# Altium PCB 400432.PcbDoc (part 3 of 6) (continued)
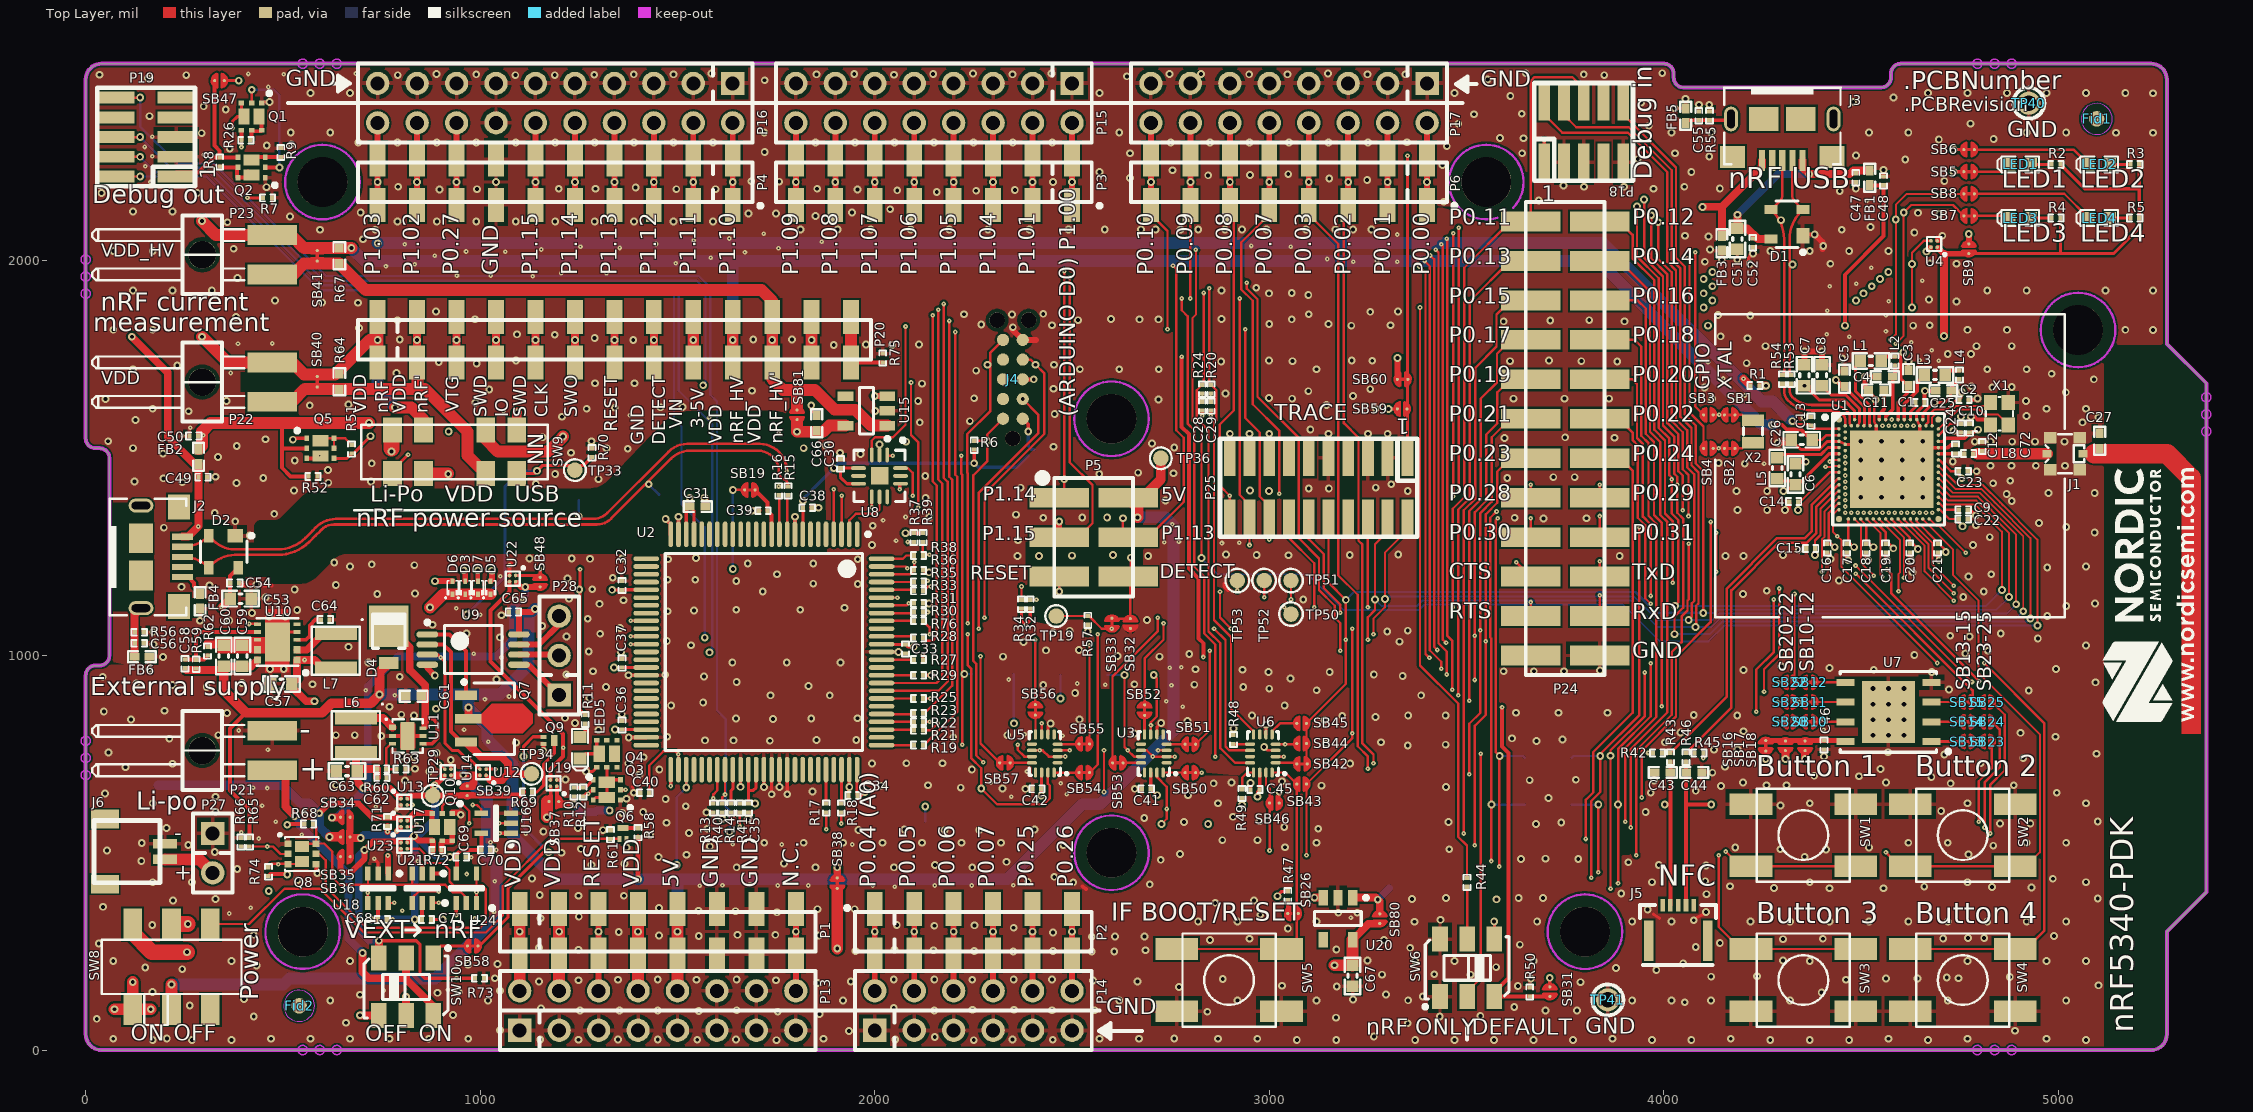
[diagram p0: Top Layer view]
## Nets (pads, with @x,y where several pads share a name; then routed paths per layer and width w, separated by ;. In a path a pad name is that pad's centre, name@x,y a point inside that pad or via, vN(x,y) a via of type N, cw(c..) or ccw(c..) an arc to the next point about the centre after c; other vN are vias at no path point) (continued)
  other v2: 755,151 918.3,153 986,334 3207,335 364,346 1035,350 802,353 418,361 2051,414 1556,416 1754,417 1831,417 1995,417 2152,417 2246,417 1614,418 2351,418 1684,420 1037,428 966,446 1091,485 1764,521 1943,521 1640,522 1026,527 439,536 548,546 495,547 1115,548 482,579 555,602 1111,602 735,617 447,619 1084,622 2346,642 2487,648 460,664 424,665 2471,676 2294,678 2386,706 462,761 1020,781 2476,797 2380,800 388,810 959,812 4405,812 2781,870 2739,884 1012,889 474,893 1073,896 783,899 710,912 2752,925 2584,926 2513,929 2340,939 2589,968 2748,969 2777,970 1053,995 984,1004 1000,1103 939,1120 1107,1142 1050.4,1201 953,1247 2880,1285 2924,1286 2734,1287 2771,1288 2054,1291 2754,1333 2021,1343 2078,1351 4254,1486 245,1557 1757,1565 265,1577 1580,1603 1379,1609 1059,1619 4205,1659 4151,1702 368,1716 4112,1744 4696.56,1747 4648,1748 4679,1774 386,1790 473,1791 4627,1794 4470,1808 4413,1814 4563,1822 4563,1862 4414,1874 4570,1898 4421,1936 4488,1942 4655,1950 1133,1961 941,1963 1027,1963 1205,1969 1320,1969 1409,1980 4526,1983 761,1987 834,1992 1496,1994 3213,1998 3324,1998 3273,2000 3147,2005 1584,2008 885,2013 1671,2022 1063,2023 964,2024 1155,2029 1756,2032 1354,2033 1254,2036 3054,2036 2954,2038 809,2042 1446,2043 1866,2049 1541,2052 1631,2057 3324,2067 1719,2069 4515,2153 164,2200 151,2240 169,2265 299,2269 150,2289 169,2315 463,2441 502,2473 412,2474 685,2475
  other v3: 4529.93,797.95 4569.3,797.95 4608.67,797.95 4529.93,837.32 4569.3,837.32 4608.67,837.32 4529.93,876.69 4569.3,876.69 4608.67,876.69 4529.93,916.06 4569.3,916.06 4608.67,916.06 4499.12,1401.13 4551.61,1401.13 4604.11,1401.13 4656.6,1401.13 4499.12,1448.38 4551.61,1448.38 4604.11,1448.38 4656.6,1448.38 4499.12,1495.62 4551.61,1495.62 4604.11,1495.62 4656.6,1495.62 4499.12,1542.87 4551.61,1542.87 4604.11,1542.87 4656.6,1542.87
I\F\_\O\F\F\: Q1.2 Q2.2 SW6.2 U3.2 U3.10 U5.2 U5.10 U6.2 U19.B2 U22.B2 | length 7852.7
  Top Layer w6: Q1.2@421,2400.45 v1(421,2434) ; U5.10@2398.52,759.5 v2(2418,759.5) 2425.5,759.5 2441.25,743.75 U5.2@2463.48,743.75 2463.73,744 v2(2483,744) ; U3.10@2674.85,759.5 2689.5,759.5 v2(2705,744) 2705.25,743.75 U3.2@2739.81,743.75 v2(2760.75,743.75) ; v2(2778,1905) 2778,1875 2793,1860 2793,1588 2810,1571 2810,1225 2835,1200 2835,1056 2863,1028 v2(2863,743.75) ; U6.2@3016.15,743.75 v2(3037,743.75) ; SW6.2@3501.57,115.57 SW6.2@3511.5,125.5 ; SW6.2@3501.57,135.43 3501.57,147.57 3536,182 v2(3536,751)
  Top Layer w10: Q2.2@457.54,2237 482.35,2237 v1(491,2237) ; U22.B2@1074.13,1187.13 1074.13,1162.13 1026,1114 1026,985 1210,801 v2(1210,766) 1210,744 1177.9,711.9 U19.B2@1177.9,684.5
  Mid-Layer 1 w6: v1(491,2237) 446,2237 435,2226 435,2059 530,1964 903,1964 962,1905 v2(2778,1905) ; v2(1210,766) 1523,766 1529.5,759.5 v2(2418,759.5) ; v2(2483,744) 2545,744 2575,774 2675,774 v2(2705,744) ; v2(2760.75,743.75) v2(2863,743.75) v2(3037,743.75) 3044.25,751 v2(3536,751)
  Bottom Layer w6: v1(421,2434) 477,2434 491,2420 v1(491,2237)
IFSel0: Q2.3 R9.2 U2.83 | length 3333.3
  Top Layer w6: R9.2@494.55,2263.78 v2(509.78,2263.78) ; U2.83@2017.23,910.57 2161.57,910.57 2185,934 2185,1440 2175,1450 v2(2175,1891)
  Top Layer w10: Q2.3@420.34,2255.7 428.42,2263.78 R9.2@494.55,2263.78
  Mid-Layer 1 w6: v2(509.78,2263.78) 444.78,2263.78 424,2243 424,2054 525,1953 894,1953 956,1891 v2(2175,1891)
IFSel1: Q1.3 R7.2 U2.84 | length 3348.4
  Top Layer w6: U2.84@2017.23,930.26 2156.26,930.26 2171,945 2171,1436 2161,1446 v2(2161,1876)
  Top Layer w8: v2(372,2337) 372,2354 384,2366 Q1.3@401.05,2366 401.64,2366 394.75,2372.89 Q1.3@394.75,2400.45 ; v2(410,2160) R7.2@449.78,2160
  Mid-Layer 1 w6: v2(372,2337) 410,2299 v2(410,2160) 410,2052 524,1938 888,1938 950,1876 v2(2161,1876)
IMCU_BOOT: SB46.2 U2.53 U6.15 | length 2037
  Top Layer w6: v1(1522.15,665.15) U2.53@1522.15,710.77 ; U6.15@2991.54,703.39 2991.54,671 3000.7,661.84 3000.7,639.9 SB46.2@3000.7,626 ; v2(3000.7,505.7) 3000.7,612.1
  Mid-Layer 1 w6: v1(1498,469) 1498,439 1543,394 2716,394 2827.7,505.7 v2(3000.7,505.7)
  Bottom Layer w6: v1(1498,469) 1498,641 v1(1522.15,665.15)
IMCU_RESET: C40.2 J4.10 R6.1 TP23.1 U2.52 | length 1978.9
  Top Layer w6: C40.2@1428.22,652 1428.22,721.22 1464,757 1495,757 v2(1502,750) 1502.46,749.54 U2.52@1502.46,710.77 ; R6.1@2252,1544.22 2284.78,1544.22 2284.78,1491.78 ; v2(2274.78,729.22) 2257,747 2257,979 2250,986 2250,1457 2284.78,1491.78 ; J4.10@2325,1600 2285,1560 v1(2285,1544) 2285,1492 2284.78,1491.78
  Mid-Layer 1 w6: v2(1502,750) 1506,746 2220,746 2236.78,729.22 v2(2274.78,729.22)
IMCU_SWDCLK: J4.4 TP48.1 U2.34 | length 1691.6
  Top Layer w6: v2(1381.26,1087.74) U2.34@1420.77,1087.74 ; v2(2278,1096) 2278,1410 2429.92,1561.92 2429.92,1715.08 v1@2407,1738 ; J4.4@2375,1750 2395,1750 v1@2407,1738 ; v1@2407.5,1738 v1@2407,1738
  Mid-Layer 1 w6: v2(1381.26,1087.74) 2065.74,1087.74 2074,1096 v2(2278,1096)
  other v1: 2407.5,1737
IMCU_SWDIO: J4.2 TP21.1 U2.37 | length 1598.8
  Top Layer w6: v2(1381.26,1028.68) U2.37@1420.77,1028.68 ; v2(2264,1068) 2264,1413 2414,1563 2414,1611 v1(2375,1650)
  Mid-Layer 1 w6: v2(1381.26,1028.68) 1386.31,1028.68 1420.63,1063 2078,1063 2083,1068 v2(2264,1068)
IMCU_SWO: J4.6 TP49.1 U2.36 | length 1661.7
  Top Layer w6: v2(1381.26,1048.37) U2.36@1420.77,1048.37 ; v2(2236,1082) 2236,1461 2234,1463 2234,1561 2293,1620 v1@2293,1737 ; v1@2293,1738 2293,1768 J4.6@2325,1800
  Mid-Layer 1 w6: v2(1381.26,1048.37) 1407.89,1075 2071,1075 2078,1082 v2@2234,1082
  other v1: 2286,1737
MCU_LED: Q3.2 Q3.5 R12.1 U2.51 | length 307.5
  Top Layer w8: R12.1@1261,642.78 1268.22,650 v2(1274,650) 1283.29,659.29 Q3.5@1286.55,659.29 ; Q3.2@1355.45,659.29 v2(1368.29,659.29) ; v2(1482.78,669.22) U2.51@1482.78,710.77
  Mid-Layer 1 w8: v2(1274,650) 1283.29,659.29 v2(1368.29,659.29) 1383,674 1478,674 v2(1482.78,669.22)
MX25_C\S\: SB13.2 U7.1 | length 77.6
  Top Layer w8: U7.1@4678.35,782 SB13.2@4756,782
MX25_SCLK: SB11.2 U7.6 | length 77.6
  Top Layer w6: SB11.2@4382.6,882 U7.6@4460.24,882
MX25_SIO0: SB12.2 U7.5 | length 77.6
  Top Layer w6: SB12.2@4382.6,932 U7.5@4460.24,932
MX25_SIO1: SB14.2 U7.2 | length 77.6
  Top Layer w6: U7.2@4678.35,832 SB14.2@4756,832
MX25_SIO2: SB15.2 U7.3 | length 77.6
  Top Layer w6: U7.3@4678.35,882 SB15.2@4756,882
MX25_SIO3: SB10.2 U7.7 | length 77.6
  Top Layer w6: SB10.2@4382.6,832 U7.7@4460.24,832
N\R\F\_\O\N\L\Y\: R44.1 TP22.1 U4.B2 | length 2941.6
  Top Layer w6: v2(3382,1882) 3382,975 3479,878 3479,540 3501,518 R44.1@3501,436.22 ; v1(4629,1882) v1(4629,1992) 4629,2021 4658.87,2050.87 U4.B2@4677.13,2050.87
  Mid-Layer 1 w6: v2(3382,1882) v1(4101,1882)
  Mid-Layer 2 w6: v1(4101,1882) v1(4629,1882)
NetC4_2: C4.2 L2.1 U1.A15 | length 245.1
  Top Layer w8.86: C4.2@4579.83,1707.24 4579.83,1688.54 ; 4562.11,1605.86 U1.A15@4562.11,1597.98 4562.11,1605.86 ; 4562.11,1605.86 4579.83,1623.57 ; 4562.11,1605.86 4579.83,1623.57 ; 4579.83,1623.57 4579.83,1688.54 ; 4579.83,1623.57 4579.83,1688.54
  Top Layer w10: C4.2@4579.83,1707.24 4585.73,1713.14 L2.1@4585.73,1735.39
NetC7_1: C7.1 R1.2 U1.A5 | length 403.7
  Top Layer w4.92: v1@4259,1684 v1(4259.19,1683.81)
  Top Layer w5.91: U1.A5@4483.37,1597.98 4484.35,1598.97 U1.A5@4483.37,1597.98
  Top Layer w7.87: C7.1@4362.31,1677.91 4368.21,1683.81 4368.21,1672.79 4393.19,1647.81 4404.22,1647.81 ; 4404.22,1647.81 4455.84,1647.81 ; 4404.22,1647.81 4455.84,1647.81 ; 4455.84,1647.81 4483.37,1620.27 ; 4455.84,1647.81 4483.37,1620.27 ; 4483.37,1620.27 U1.A5@4483.37,1597.98 4483.37,1620.27
  Top Layer w20: R1.2@4247,1684 v1@4259,1684
  Mid-Layer 2 w20: v1(4259.19,1683.81) v1(4356.4,1683.81)
NetC12_2: C12.2 L8.1 U1.L31 | length 108.8
  Top Layer w8.86: C12.2@4738.68,1511.37 U1.L31@4695.97,1511.37 4761.15,1511.37 L8.1@4761.78,1512
NetC39_1: C39.1 SB19.1 U2.12 | length 130.1
  Top Layer w10: SB19.1@1696.25,1419.75 1728.22,1387.78 C39.1@1728.22,1367 1738.68,1356.54 U2.12@1738.68,1307.23
NetC46_2: C46.2 SB16.2 SB17.2 SB18.2 U7.8 | length 202.9
  Top Layer w12: SB16.2@4258.3,784.3 4295.22,784.3 4321.38,784.3 4345.22,784.3 4371.38,784.3 4457.95,784.3 U7.8@4460.24,782
NetC47_2: C47.2 C51.2 C52.2 D1.4 FB1.1 J3.1 TP15.1 | length 554.8
  Top Layer w20: v1(4186.43,2117) C51.2@4186.43,2082.54 4211.46,2082.54 4238.48,2055.52 D1.4@4271.88,2055.52 ; J3.1@4351.53,2254.65 4351.53,2236.86 v1(4368.45,2219.95) 4470.95,2219.95 4480.67,2229.67 FB1.1@4521.73,2229.67
  Bottom Layer w20: v1(4186.43,2117) 4289.38,2219.95 v1(4368.45,2219.95)
NetC49_1: C49.1 C53.2 C54.2 D2.4 FB2.1 J2.1 TP11.1 | length 1091.5
  Top Layer w10: C53.2@366.03,1144 366.03,1201.67 D2.4@387.01,1222.65
  Top Layer w20: v1(117,1808) 208,1717 208,1553 275.7,1485.3 FB2.1@286,1485.3 286,1328 v2(285,1327) 259.18,1301.18 J2.1@245.35,1301.18 ; v2(344,1121.97) C53.2@366.03,1144
  Mid-Layer 1 w20: v2(285,1327) 201,1243 201,1152 231.03,1121.97 v2(344,1121.97)
NetC55_2: C55.2 FB5.1 J3.6@4170.43,2359.96 J3.6@4174.37,2263.51 J3.6@4253.11,2359.96 J3.6@4347.6,2359.96 J3.6@4426.34,2263.51 J3.6@4430.27,2359.96 R55.2 | length 119.1
  Top Layer w10: FB5.1@4055.75,2349.19 4063.23,2356.67 C55.2@4088.75,2356.67 4167.14,2356.67 J3.6@4170.43,2359.96
NetC56_2: C56.2 FB6.1 J2.6@140.04,1120.08 J2.6@140.04,1202.76 J2.6@140.04,1297.24 J2.6@140.04,1379.92 J2.6@236.49,1124.02 J2.6@236.49,1375.98 R56.2 | length 130
  Top Layer w20: FB6.1@123.87,996.73 123.87,1103.92 J2.6@140.04,1120.08
NetC58_1: C58.1 R59.1 R62.2 U10.7 | length 282.2
  Top Layer w10: C58.1@252,990.22 279,990.22 279.09,990.13 279.09,989.54 279.41,989.22 R59.1@280,989.22 R59.1@280,990.22 ; R62.2@309,999.78 308.41,999.78 308.09,999.46 308.09,998.87 299.44,990.22 R59.1@280,990.22 ; U10.7@436,1059.59 290.59,1059.59 280,1049 R59.1@280,990.22
NetC61_2: C61.2 D4.3 U11.4 U11.6 | length 407.1
  Top Layer w9.84: 860.46,834 860.53,833.94 861.08,833.38
  Top Layer w10: U11.4@854.39,776.32 877.32,776.32 892,791 892,828 880,840 860.53,840
  Top Layer w20: D4.3@768,1073.56 821.34,1020.22 821.34,963.66 860.53,924.47 C61.2@860.53,897 ; 860.53,821.83 860.53,833.94 860.53,840 C61.2@860.53,896.05
NetC62_1: C62.1 R60.1 R63.2 U11.3 | length 121.6
  Top Layer w6: R60.1@761.22,712 R60.1@762.22,712 ; C62.1@762.22,690 R60.1@762.22,712 ; U11.3@777.61,776.32 773.68,776.32 762.22,764.86 R60.1@762.22,712 ; R63.2@787.78,712 R60.1@762.22,712
NetC64_2: C64.2 U10.3 | length 96.3
  Top Layer w10: U10.3@536,1039.91 558.07,1039.91 568,1049.83 568,1076 583,1091 C64.2@595.78,1091
NetC66_2: C66.2 SB81.2 SW9.7 U15.5 | length 1018.1
  Top Layer w30: SW9.7@1013.74,1571.12 1013.74,1548.26 1045,1517 1172,1517 v1(1210,1555) ; 1803,1590.94 v1(1803,1567) 1869,1567 1884.6,1582.6 U15.5@1925.85,1582.6
  Mid-Layer 2 w30: v1(1210,1555) 1245,1590 1780,1590 v1(1803,1567)
NetFB3_1: FB3.1 J3.5 TP16.1 | length 282.7
  Top Layer w20: v1(4098,2137) 4098.43,2137.43 4147.43,2137.43 ; FB3.1@4147.43,2063.67 4147.43,2137.43 ; J3.5@4249.17,2254.65 4249.17,2239.17 4147.43,2137.43
NetFB4_1: FB4.1 J2.5 | length 67.9
  Top Layer w10: J2.5@245.35,1198.82 260.18,1198.82 275,1184 275,1175.73 FB4.1@291.87,1158.87
NetL1_1: L1.1 L2.2 | length 39.1
  Top Layer w10: L1.1@4551.28,1746.61 4562.51,1757.83 L2.2@4585.73,1757.83
NetL1_2: L1.2 U1.B10 | length 194
  Top Layer w7.36: L1.2@4503.06,1748.57 4485.34,1730.86 4485.34,1670.78 4521.05,1635.07 U1.B10@4521.05,1583.93 ; U1.B10@4521.05,1583.93 U1.B10@4522.74,1582.24 ; U1.B10@4521.05,1583.93 U1.B10@4522.74,1582.24 ; U1.B10@4521.05,1583.93 U1.B10@4522.74,1582.24
NetL3_1: L3.1 L4.2 | length 40.1
  Top Layer w9.84: L3.1@4713.69,1711.17 4724.91,1722.4 L4.2@4749.11,1722.4
NetL3_2: L3.2 U1.A21 | length 215.5
  Top Layer w8.86: 4638.88,1666.88 4609.35,1637.35 ; L3.2@4660.54,1711.17 4641.83,1692.47 4641.83,1669.83 4609.35,1637.35 ; 4609.35,1637.35 U1.A21@4609.35,1597.98 4609.35,1637.35
NetL5_2: L5.2 U1.J1 | length 329.2
  Top Layer w7.36: L5.2@4278.15,1509.89 L5.2@4294.89,1509.89 ; L5.2@4294.89,1509.89 4399.23,1509.89 ; L5.2@4294.89,1509.89 4399.23,1509.89 ; 4399.23,1509.89 4416.45,1527.12 ; 4399.23,1509.89 4416.45,1527.12 ; 4416.45,1527.12 U1.J1@4444,1527.12 4416.45,1527.12
NetL6_1: L6.1 U11.1 | length 102.4
  Top Layer w20: L6.1@685,841.31 753.96,841.31 U11.1@777.61,817.65
NetL7_1: L7.1 U10.2 | length 115
  Top Layer w18: U10.2@536,1014.31 560.31,1014.31 601.31,1055.31 L7.1@634,1055.31
NetLED1_1: LED1.1 SB5.2 | length 97
  Top Layer w6: SB5.2@4786.97,2226.26 4857.86,2226.26 LED1.1@4876.33,2244.73
NetLED1_2: LED1.2 R2.1 | length 51.3
  Top Layer w8: LED1.2@4931.33,2244.73 R2.1@4982.62,2244.73
NetLED2_1: LED2.1 SB6.2 | length 304.9
  Top Layer w6: SB6.2@4786.97,2282.26 5038.79,2282.26 LED2.1@5076.33,2244.73
NetLED2_2: LED2.2 R3.1 | length 51.3
  Top Layer w8: LED2.2@5131.33,2244.73 R3.1@5182.62,2244.73
NetLED3_1: LED3.1 SB7.2 | length 91.7
  Top Layer w6: SB7.2@4786.97,2114.26 4870.79,2114.26 LED3.1@4876.33,2108.73
NetLED3_2: LED3.2 R4.1 | length 51.3
  Top Layer w8: LED3.2@4931.33,2108.73 R4.1@4982.62,2108.73
NetLED4_1: LED4.1 SB8.2 | length 314.8
  Top Layer w6: SB8.2@4786.97,2170.26 5014.79,2170.26 LED4.1@5076.33,2108.73
NetLED4_2: LED4.2 R5.1 | length 51.3
  Top Layer w8: LED4.2@5131.33,2108.73 R5.1@5182.62,2108.73
NetLED5_1: LED5.1 Q4.6 | length 90.9
  Top Layer w8: LED5.1@1253,738.5 1265.5,751 Q4.6@1301.71,751 1295.41,757.3 Q4.6@1295.41,785.45
NetLED5_2: LED5.2 R11.1 | length 38.7
  Top Layer w8: LED5.2@1253,793.5 1266,806.5 R11.1@1266,826.78
NetP1_3: P1.3 P5.5 P7.3 P11.5 P13.6 SB43.2 SB44.1 U6.4 | length 3972.7
  Top Layer w6: P1.3@1300,357.68 P1.3@1300,390 ; v1(2467.5,1162.5) P5.5@2467.5,1200 ; v2(2875,1162) 2875,1096 2900,1071 v2@2900,1068 ; U6.4@3016.15,775.24 3016.39,775 v2(3040,775) 3062.64,775 3062.89,775.24 3068.28,775.24 SB44.1@3069.7,776.67 ; v2(3094.3,493.7) 3094.3,660.1 ; SB43.2@3094.3,674 3100.16,679.86 3210,789.7 v2(3210,803) v2(3210,1068)
  Top Layer w15: P13.6@1300,150 P1.3@1300,242.32 v1(1300,300) P1.3@1300,357.68
  Mid-Layer 1 w6: v1(1300,300) 1383,383 2722.49,383 2830.49,491 3091.6,491 v2(3094.3,493.7) ; v1(2467.5,1162.5) 2874.5,1162.5 v2(2875,1162) ; v2(2903,1068) v2(3210,1068) ; v2(3040,775) 3068,803 v2(3210,803)
  Bottom Layer w6: v1(2467.5,1162.5) P11.5@2467.5,1204.5
  Bottom Layer w15: P7.3@1300,242.32 v1(1300,300) P7.3@1300,357.68
NetP5_6: P5.6 P11.6 SB32.2 SB33.1 | length 262.2
  Top Layer w6: SB33.1@2601,1094.3 2602,1093.3 2634.1,1093.3 SB32.2@2648,1093.3 2647.7,1093.6 2647.7,1100.17 2647.7,1194.8 P5.6@2642.5,1200 2649,1206.5 v1(2649,1248)
  Bottom Layer w6: v1(2649,1248) 2649,1217.22 P11.6@2666.22,1200
NetP6_3: P6.3 P12.3 P17.6 R42.1 | length 2493.5
  Top Layer w6: P6.3@3200,2152 P6.3@3200,2142.32 3189,2131.32 3189,1589 3226,1552 3226,1291 3236,1281 3236,777 3264,749 v2(3264,727) ; v2(3960,753) R42.1@3972.78,753
  Top Layer w15: P6.3@3200,2152 v1(3200,2200) P6.3@3200,2257.68 P17.6@3200,2350
  Mid-Layer 1 w6: v2(3264,727) 3934,727 v2(3960,753)
  Bottom Layer w15: P12.3@3200,2142.32 v1(3200,2200) P12.3@3200,2257.68
NetP6_4: P6.4 P12.4 P17.8 R45.1 | length 2688.8
  Top Layer w6: P6.4@3100,2142.32 3100,2118 3175,2043 3175,1203 3224,1154 3224,770 3250,744 v2(3250,713) ; v2(4100.22,740.22) R45.1@4100.22,753
  Top Layer w15: P6.4@3100,2142.32 v1(3100,2200) P6.4@3100,2257.68 P17.8@3100,2350
  Mid-Layer 1 w6: v2(3250,713) 3939,713 3966.22,740.22 v2(4100.22,740.22)
  Bottom Layer w15: P12.4@3100,2142.32 v1(3100,2200) P12.4@3100,2257.68
NetP20_8: P20.8 P26.8 | length 255
  Top Layer w6: P20.8@1440,1718 P20.8@1440,1742.32
  Top Layer w20: P20.8@1440,1742.32 v1(1440,1800) P20.8@1440,1857.68
  Bottom Layer w20: P26.8@1440,1742.32 v1(1440,1800) P26.8@1440,1857.68
NetP20_13: P20.13 R75.2 | length 195.5
  Top Layer w10: P20.13@1940,1742.32 1940.46,1742.78 R75.2@2020,1742.78
  Top Layer w30: P20.13@1940,1742.32 P20.13@1940,1857.68
NetP21_2: P21.2 SW10.2 SW10.4 TP27.1 | length 921.9
  Top Layer w20: P21.2@464.99,709 P21.2@472.44,709 502,709 506,705 506,617 v1(530,593) ; v1(702,246) 702,197 717,182 810,182 ; SW10.2@812,232.83 812,184 810,182 ; SW10.4@880.9,87.17 880.9,111.1 810,182
  Bottom Layer w20: v1(530,593) 543,580 543,568.17 666,445.17 666,282 v1(702,246)
NetP24_3: P24.3 SB22.2 | length 2049.4
  Top Layer w6: v2(3479,899) 3479,1370 3508,1399 3508,1898 3610,2000 P24.3@3662.5,2000 ; v2(4290,932) 4300.13,932 SB22.2@4307,932
  Mid-Layer 1 w6: v2@3479,899 3508,899 4038,899 4083,899 4116,932 v2(4290,932)
NetP24_4: P24.4 SB24.2 | length 2763.9
  Top Layer w6: P24.4@3837.5,2000 3888,2000 3965,1923 3965,1567 3991,1541 3991,1356 4009,1338 4009,856 3916,763 v2(3916,564) ; v2(4813,564) 4813,678 4851,716 4851,812.6 4837.46,826.14 SB24.2@4831.6,832
  Mid-Layer 1 w6: v2(3916,564) v2(4813,564)
NetP24_5: P24.5 SB25.2 | length 3146.5
  Top Layer w6: v2(3493,549) 3493,1368 3522,1397 3522,1729 3576,1783 3576,1864 3612,1900 P24.5@3662.5,1900 ; v2(4827,549) 4827,672 4864,709 4864,849.6 4837.46,876.14 SB25.2@4831.6,882
  Mid-Layer 1 w6: v2@3493,549 3872,549 v2(4827,549)
NetP24_6: P24.6 SB20.2 | length 1478.6
  Top Layer w6: P24.6@3837.5,1900 3933.54,1900 3954,1879.54 3954,1562 3975,1541 3975,1356 3995,1336 v2(3995,871) ; v2(4289,832) 4300.13,832 SB20.2@4307,832
  Mid-Layer 1 w6: v2(3995,871) 4198,871 4237,832 v2(4289,832)
NetP24_7: P24.7 SB21.2 | length 1812.2
  Top Layer w6: v2(3507,885) 3507,1366 3536,1395 3536,1651 3577,1692 3577,1765 3612,1800 P24.7@3662.5,1800 ; v2(4289,882) 4300.13,882 SB21.2@4307,882
  Mid-Layer 1 w6: v2@3505,885 3556,885 4188,885 4191,882 v2(4289,882)
NetP24_8: P24.8 SB23.2 | length 2478.7
  Top Layer w6: P24.8@3837.5,1800 3926,1800 3943,1783 3943,1557 3961,1539 3961,1354 3981,1334 3981,844 3902,765 v2(3902,578.7) ; v2(4798.3,578.7) 4798.3,681.3 4831.6,714.6 4831.6,768.1 SB23.2@4831.6,782
  Mid-Layer 1 w6: v2(3902,578.7) v2(4798.3,578.7)
NetP28_1: P28.1 U9.5 | length 133.6
  Top Layer w15: U9.5@1098.14,976.61 1122.39,976.61 1199,900 P28.1@1200,900
NetP28_2: P28.2 U9.6 | length 102.8
  Top Layer w15: U9.6@1098.14,1002.2 1197.8,1002.2 P28.2@1200,1000
NetP28_3: P28.3 U9.7 | length 144.1
  Top Layer w15: U9.7@1098.14,1027.8 1148.8,1027.8 1200,1079 P28.3@1200,1100
NetQ1_5: Q1.5 Q1.6 R26.2 | length 89.7
  Top Layer w10: R26.2@417.22,2306 420.34,2309.12 420.34,2328.8 445.93,2328.8 445.93,2359.11 Q1.6@439.04,2366
NetQ2_5: Q2.5 Q2.6 R8.2 | length 122.7
  Top Layer w10: R8.2@339.59,2239.78 342.37,2237 383.14,2237 383.14,2211.41 413.45,2211.41 420.34,2218.3 Q2.6@411.64,2227
NetQ3_3: Q3.3 Q3.6 Q4.2 | length 150.7
  Top Layer w8: Q3.6@1286.55,633.7 1292.85,640 Q3.6@1321,640 Q3.3@1321,678.58 ; Q4.2@1321,716.55 Q3.3@1321,678.58 ; Q3.3@1355.45,684.88 1327.3,684.88 Q3.3@1321,678.58
NetQ3_4: Q3.4 R10.1 R12.2 | length 56.7
  Top Layer w8: R10.1@1238,665.22 R12.2@1261,665.22 1266.89,665.22 Q3.4@1286.55,684.88
NetQ5_3: Q5.3 R50.1 SB31.2 SW6.3 | length 4813.1
  Top Layer w10: Q5.3@560.55,1499.41 580.41,1499.41 587,1506 v2(593,1506) ; v2(2778,1757) 2778,1579 2796,1561 2796,1220 2821,1195 2821,1043 2833,1031 v2(2833,996) ; v2(3590,869) 3590,769 3606,753 3606,183 3570.47,147.47 SW6.3@3570.47,135.43 3570.82,135.78 R50.1@3660,135.78 3697.04,135.78 3710.92,135.78 SB31.2@3711,135.7
  Mid-Layer 1 w10: v2(593,1506) 708,1506 742,1540 1106,1540 1276,1710 2216,1710 2263,1757 v2(2778,1757) ; v2(2833,996) 3059,996 3071,984 3347,984 3462,869 v2(3590,869)
NetQ5_5: Q5.5 Q5.6 R51.2 | length 116.8
  Top Layer w6: Q5.6@595,1543.7 601.89,1550.59 Q5.6@629.45,1550.59 Q5.6@632.2,1550.59 ; Q5.5@632.4,1525 629.45,1527.95 629.45,1547.64 632.4,1550.59 657.63,1550.59 671.09,1537.13 671.09,1536.54 673.41,1534.22 R51.2@674,1534.22
NetQ6_1: Q6.1 R61.1 SW8.4 | length 1261.8
  Top Layer w6: SW8.4@316.05,319.27 414.27,319.27 504,409 594,409 705,298 1014,298 1057.11,341.11 1057.11,415.11 1177.22,535.22 Q6.1@1353.14,535.22
NetQ6_3: Q6.3 R58.2 | length 38.2
  Top Layer w10: Q6.3@1362,562.78 1362.56,562.22 R58.2@1400,562.22
NetQ7_1: Q7.1 U9.1 | length 220.3
  Top Layer w10: U9.1@873.86,1053.39 922.61,1053.39 964.13,1011.87 Q7.1@964.13,899.06
NetQ7_3: Q7.3 TP34.1 U9.2 U12.A1 | length 591.8
  Top Layer w9.84: U12.A1@1014.87,696.13 1026.19,684.81
  Top Layer w10: U9.2@873.86,1027.8 906.2,1027.8 925.57,1008.43 925.57,807.43 952.06,780.94 Q7.3@964.13,780.94
  Top Layer w20: Q7.3@964.13,780.94 1001.08,744 1053,744 1070,727 1070,699 ; 1026.19,684.81 1055.81,684.81 1070,699 ; TP34.1@1128,703 1124,699 1070,699
NetQ10_2: Q10.2 U21.4 | length 419.1
  Top Layer w6: U21.4@827.41,372.6 827.41,385.41 844,402 v2(895,402) ; Q10.2@903.59,602.41 903.59,618.59 911,626 952,626 972,606 v2(972,575)
  Mid-Layer 1 w6: v2(895,402) 963,470 963,499 972,508 v2(972,575)
NetQ10_3: Q10.3 U17.A2 | length 106
  Top Layer w12: Q10.3@878,602.41 878,572.09 Q10.3@884.89,565.2
  Top Layer w15: U17.A2@817.5,584.5 834,601 Q10.3@876.59,601
NetQ10_5: Q10.5 Q10.6 R72.2 | length 86.8
  Top Layer w15: R72.2@902.22,506 902.22,524.22 906,528 929.18,528 Q10.6@929.18,530.76 929.18,558.31 Q10.6@922.29,565.2
NetR14_1: R14.1 U2.59 | length 87.9
  Top Layer w8: R14.1@1635.5,624.83 1635.5,657.24 1640.26,662 U2.59@1640.26,710.77
NetR17_1: R17.1 U2.71 | length 86.2
  Top Layer w8: U2.71@1876.48,710.77 1876.48,625.35 R17.1@1877,624.83
NetR18_1: R18.1 U2.73 | length 86.3
  Top Layer w8: R18.1@1915,624.83 1915.85,625.68 U2.73@1915.85,710.77
NetR19_1: R19.1 U2.76 | length 82.6
  Top Layer w6: U2.76@2017.23,772.78 2099.56,772.78 R19.1@2099.78,773
NetR21_1: R21.1 U2.78 | length 82.6
  Top Layer w6: U2.78@2017.23,812.15 R21.1@2099.78,812.15
NetR22_1: R22.1 U2.79 | length 82.6
  Top Layer w6: U2.79@2017.23,831.83 R22.1@2099.78,831.83
NetR23_1: R23.1 U2.80 | length 82.6
  Top Layer w6: U2.80@2017.23,851.52 R23.1@2099.78,851.52
NetR25_1: R25.1 U2.82 | length 82.6
  Top Layer w6: U2.82@2017.23,890.89 R25.1@2099.78,890.89
NetR27_1: R27.1 U2.87 | length 82.6
  Top Layer w6: U2.87@2017.23,989.31 R27.1@2099.78,989.31
NetR28_1: R28.1 U2.90 | length 84.2
  Top Layer w6: U2.90@2017.23,1048.37 2095.91,1048.37 R28.1@2099.78,1044.5
NetR29_1: R29.1 U2.85 | length 82.6
  Top Layer w6: U2.85@2017.23,949.94 R29.1@2099.78,950 R29.1@2099.78,950
NetR30_1: R30.1 U2.93 | length 83.7
  Top Layer w6: U2.93@2017.23,1107.43 2097.04,1107.43 R30.1@2099.78,1110.16
NetR33_1: R33.1 U2.96 | length 83.6
  Top Layer w6: U2.96@2017.23,1166.48 2097.24,1166.48 R33.1@2099.78,1163.94
NetR35_1: R35.1 U2.97 | length 82.6
  Top Layer w6: U2.97@2017.23,1186.17 2017.39,1186.33 R35.1@2099.78,1186.33
NetR38_1: R38.1 U2.100 | length 86
  Top Layer w6: U2.100@2017.23,1245.22 2071.22,1245.22 2079.61,1253.61 R38.1@2099.78,1253.61
NetR44_2: R44.2 SW6.5 | length 132.9
  Top Layer w6: R44.2@3501,413.78 3501.57,413.2 SW6.5@3501.57,281.1
NetR47_1: R47.1 SB26.2 | length 33.9
  Top Layer w8: SB26.2@3046.7,346 3046.7,379.48 R47.1@3047,379.78
NetR48_2: R48.2 U6.9 | length 42.4
  Top Layer w6: R48.2@2909,775.78 2909.54,775.24 U6.9@2951.19,775.24
NetR49_2: R49.2 U6.13 | length 61.4
  Top Layer w6: R49.2@2931,663.22 2931,690 2944.39,703.39 U6.13@2960.04,703.39
NetR57_1: R57.1 SB33.2 TP19.1 U6.10 | length 793.7
  Top Layer w6: TP19.1@2460,1100 R57.1@2543,1100 ; R57.1@2540,1100.22 2542.78,1100.22 R57.1@2543,1100 ; v2(2601,1067.7) 2575.3,1067.7 R57.1@2543,1100 ; v2(2860,1068) 2889,1039 2889,769 2898.5,759.5 U6.10@2951.19,759.5
  Mid-Layer 1 w6: v2(2601,1067.7) 2601.3,1068 v2(2860,1068)
NetR71_2: R71.2 U18.1 U21.1 | length 294.5
  Top Layer w10: v2(766,493) v2@766.59,492.41 ; U21.1@878.59,447.4 v2(899.6,447.4)
  Top Layer w15: v2(765,553) R71.2@765,567.78 ; U18.1@766.59,447.4 v2@766.59,492.41
  Mid-Layer 1 w15: v2(765,553) 765,531.56 766,530.56 v2(766,493) 811.6,447.4 v2(899.6,447.4)
NetR76_1: R76.1 U2.92 | length 82.7
  Top Layer w6: U2.92@2017.23,1087.74 2017.49,1088 R76.1@2099.78,1088
NetSB1_1: SB1.1 X2.1 | length 51.3
  Top Layer w6: SB1.1@4180.3,1610 4198,1610 4211.46,1596.54 X2.1@4226,1596.54
NetSB2_1: SB2.1 X2.2 | length 51.7
  Top Layer w6: SB2.1@4180.3,1525 4198,1525 4212.46,1539.46 X2.2@4226,1539.46